# Altium PCB MB1428.PcbDoc (part 6 of 7)
Units mm, origin at the board's own origin, x right, y up, seen from the top; angles counter-clockwise.
Board outline 55.88 x 152.4 mm, 4 copper layers (Top Layer, Signal Layer 1, Signal Layer 2, Bottom Layer), stack 1.614 mm thick; 396 components, 227 nets, 1346 pads, 1469 vias.
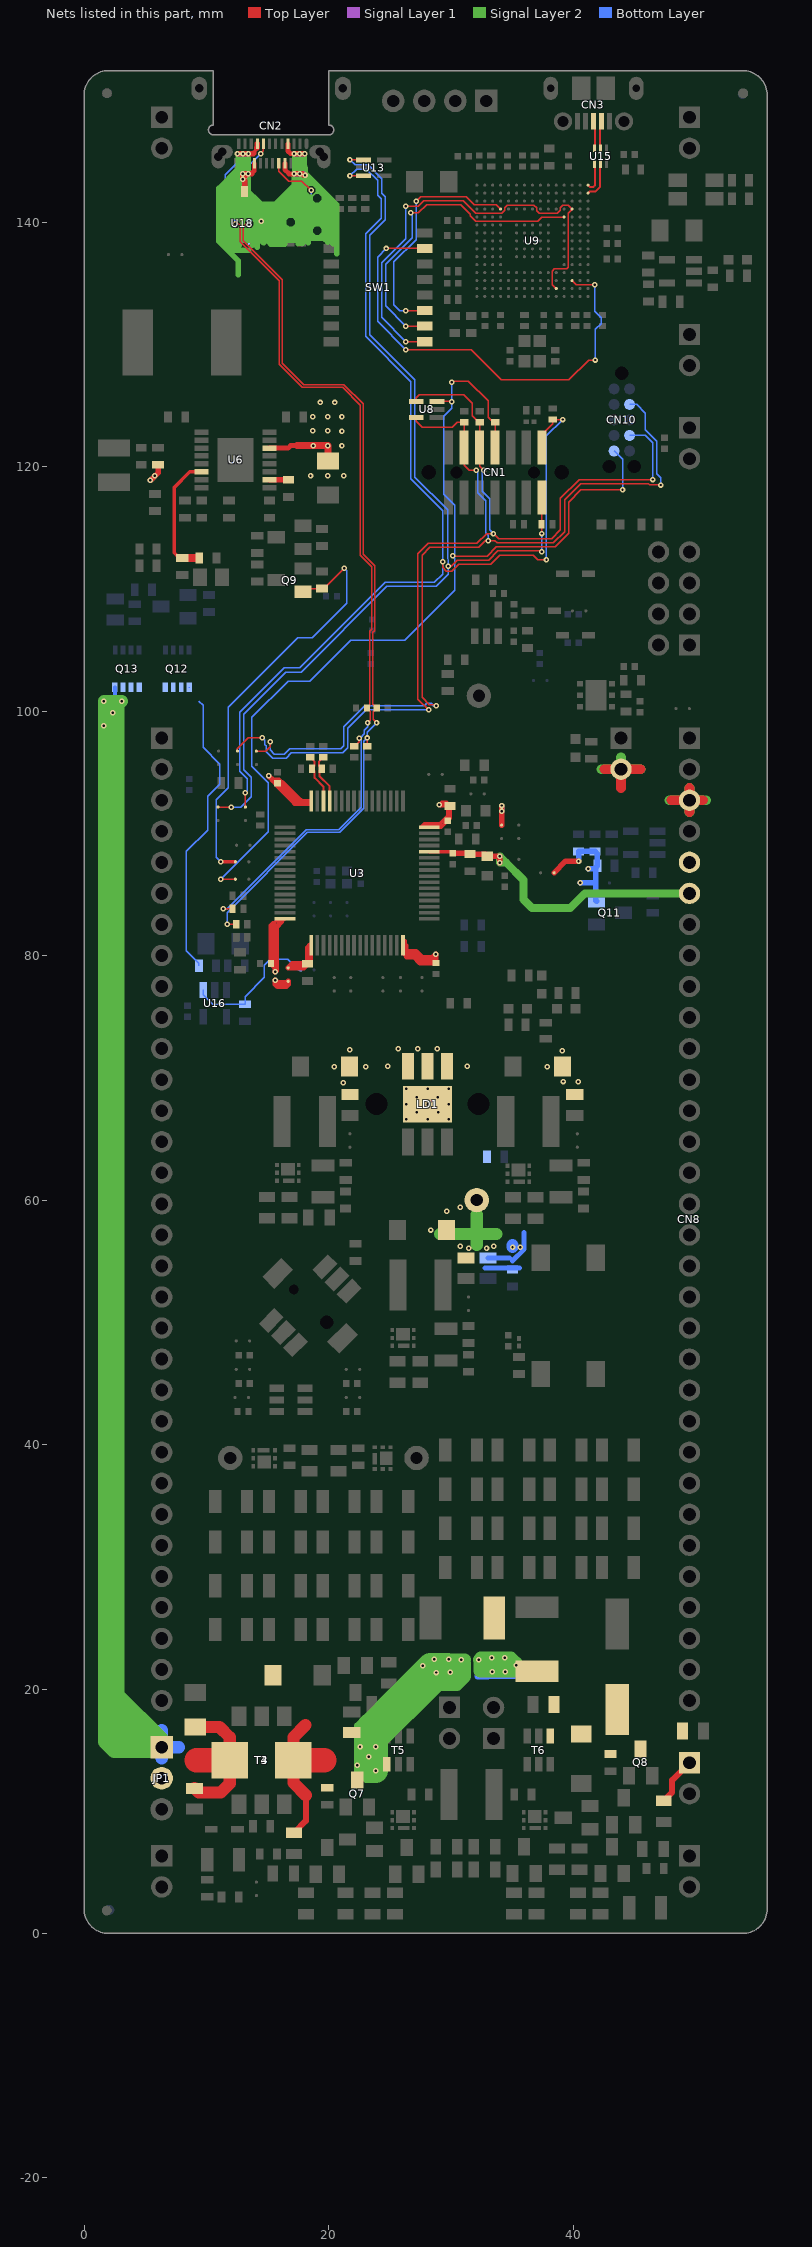
[diagram p8: the nets of this part, all layers, seen from the top]

## Via types
v1: diameter 0.45, hole 0.2, Top Layer to Bottom Layer, tented both sides, 1460 vias
v2: diameter 0.6, hole 0.2, Top Layer to Bottom Layer, tented both sides, 9 vias

## Nets (pads, with @x,y where several pads share a name; then routed paths per layer and width w, separated by ;. In a path a pad name is that pad's centre, name@x,y a point inside that pad or via, vN(x,y) a via of type N, cw(c..) or ccw(c..) an arc to the next point about the centre after c; other vN are vias at no path point) (continued)
T_SWCLK: CN1.6 CN10.4 R112.2 SB27.1 U8.4 | length 78.7
  Top Layer w0.12: SB27.1@12.55,96.725 12.55,96.925 13.45,97.825 v1(14.579,97.825) ; U8.4@27.175,125.332 27.175,125.657 27.418,125.9 31.053,125.9 31.753,125.2 31.753,124.164 32.285,123.632 R112.2@32.375,123.632 32.365,123.622 CN1.6@32.365,121.557 32.365,120.035 v1(32.7,119.7) ; v1(28.182,100.118) 27.318,100.982 27.318,112.888 28.162,113.732 32.137,113.732 32.926,114.52 v1(33.495,114.52) 33.5,114.525 33.925,114.1 38.255,114.1 38.975,114.82 38.975,117.425 40.5,118.95 v1(46.525,118.95)
  Bottom Layer w0.12: v1@14.575,97.825 14.577,97.823 14.793,97.607 14.793,97.252 14.893,97.152 14.893,96.687 15.43,96.15 16.525,96.15 16.968,96.593 21.143,96.593 21.575,97.025 21.575,98.6 23.093,100.118 v1(28.182,100.118) ; v1@32.725,119.725 v1(32.7,119.7) 32.557,119.557 32.557,117.993 33.182,117.368 33.182,114.833 v1(33.495,114.52) ; CN10.4@44.63,122.555 45.918,122.555 46.523,121.95 46.523,118.952 v1(46.525,118.95)
T_SWCLKa: SW1.15 U9.M11 | length 26.1
  Top Layer w0.12: v1(26.325,131.5) SW1.15@27.86,131.5 SW1.15@27.925,131.5 ; v1(26.73,140.775) 27.355,140.775 28.016,141.436 30.818,141.436 31.585,140.669 31.585,140.539 32.044,140.08 37.11,140.08 37.455,140.425 U9.M11@39.28,140.425
  Bottom Layer w0.12: v1(26.325,131.5) 24.678,133.147 24.678,136.547 26.839,138.708 26.839,140.641 26.705,140.775 v1(26.73,140.775)
T_SWDIO: CN1.4 CN10.2 R111.2 SB29.1 U8.5 | length 79
  Top Layer w0.12: SB29.1@14.1,96.725 14.875,96.725 15.225,97.075 v1(15.225,97.5) ; U8.5@27.175,124.032 27.175,123.707 27.657,123.225 30.125,123.225 30.532,123.632 R111.2@31.1,123.632 31.1,121.562 CN1.4@31.095,121.557 31.095,120.13 31.525,119.7 v1(32.075,119.7) ; v1(28.825,100.45) 28.75,100.525 28.245,100.525 27.65,101.12 27.65,112.75 28.3,113.4 32.275,113.4 32.831,113.956 v1(33.077,113.956) 33.6,113.956 33.787,113.768 38.393,113.768 39.307,114.682 39.307,117.287 40.638,118.618 46.162,118.618 46.275,118.505 v1@47.175,118.505
  Bottom Layer w0.12: v1(15.225,97.5) 15.225,96.825 15.568,96.482 16.387,96.482 16.83,96.925 21.005,96.925 21.243,97.163 21.243,98.738 22.955,100.45 27.875,100.45 28.05,100.625 28.382,100.625 28.557,100.45 v1(28.825,100.45) ; v1(32.075,119.7) 32.225,119.55 32.225,117.855 32.85,117.23 32.85,114.6 33.077,114.373 v1(33.077,113.956) ; CN10.2@44.63,125.095 45.21,125.095 45.927,124.378 45.927,123.016 46.855,122.088 46.855,119.42 47.175,119.1 v1(47.175,118.5)
T_SWDIOa: SW1.16 U9.L2 U9.N12 | length 37.5
  Top Layer w0.12: v1(26.325,130.23) SW1.16@27.675,130.23 ; v1(26.325,141.32) 27.348,141.32 27.796,141.768 31.006,141.768 32.024,140.75 34.186,140.75 34.425,140.989 34.425,141.201 34.604,141.38 36.806,141.38 37.025,141.161 37.025,140.919 37.219,140.725 38.711,140.725 38.975,140.989 38.975,141.201 39.154,141.38 39.625,141.38 U9.N12@39.93,141.075 39.605,140.75 39.605,136.3 39.485,136.18 38.485,136.18 38.305,136 38.305,134.9 U9.L2@38.63,134.575
  Bottom Layer w0.12: v1(26.325,130.23) 24.346,132.209 24.346,136.685 26.325,138.664 v1(26.325,141.32)
T_SWO: CN1.8 CN10.6 R113.2 SB16.2 U8.3 | length 85.2
  Top Layer w0.12: v1(11.2,86.25) SB16.2@12.375,86.25 ; U8.3@28.875,125.332 30.073,125.332 v1(30.08,125.325) ; v1(30.15,112.7) 30.164,112.686 32.975,112.686 33.725,113.436 38.53,113.436 39.639,114.545 39.639,117.089 40.65,118.1 v1(44.05,118.1) ; 30.3,126.995 31.43,126.995 33.05,125.375 33.05,124.039 33.457,123.632 R113.2@33.65,123.632 33.635,123.617 CN1.8@33.635,121.557
  Bottom Layer w0.12: v1(11.2,86.25) 15.075,90.125 15.075,94.125 13.725,95.475 13.725,99.489 16.686,102.45 18.461,102.45 21.811,105.8 26.236,105.8 30.34,109.904 30.34,112.51 v1(30.15,112.7) 30.34,112.89 30.34,116.846 29.44,117.746 29.44,124.135 30.08,124.775 v1(30.08,125.325) v1(30.08,126.899) ; CN10.6@43.36,121.285 44.055,120.59 44.055,118.105 v1(44.05,118.1)
T_SWOa: SW1.14 U9.D12 | length 19.4
  Top Layer w0.12: v1(26.325,132.77) SW1.14@27.83,132.77 ; v1(27.18,141.725) 27.555,142.1 31.258,142.1 31.938,141.42 33.735,141.42 U9.D12@34.08,141.075
  Bottom Layer w0.12: v1(26.325,132.77) 25.83,132.77 25.35,133.25 25.35,136.75 27.171,138.571 27.171,141.716 v1(27.18,141.725)
T_VCC_AIN: SW1.10 U9.N3 | length 38.5
  Top Layer w0.12: v1(24.73,137.85) SW1.10@27.86,137.85 SW1.10@27.925,137.85 ; v1(26.329,129.575) 26.354,129.55 31.686,129.55 34.136,127.1 39.66,127.1 41.285,128.725 v1(41.83,128.725) ; U9.N3@39.93,135.225 40.255,134.9 v1(41.78,134.9)
  Bottom Layer w0.12: v1(24.73,137.85) 24.014,137.134 24.014,131.89 v1(26.329,129.575) ; v1(41.78,134.9) 41.78,132.725 42.305,132.2 42.305,131.7 41.83,131.225 v1(41.83,128.725)
T_VCP_RX: CN1.13 R105.2 SB23.1 U13.1 | length 84.3
  Top Layer w0.12: SB23.1@10.95,92.15 v1@12.125,92.15 ; v1(21.755,145.1) U13.1@22.855,145.1 ; v1(29.801,111.855) 30.026,111.855 30.525,112.354 33.113,112.354 33.863,113.104 37.366,113.104 37.425,113.045 v1(37.425,113.031) ; v1(37.425,114.532) R105.2@37.425,115.282 37.445,115.302 CN1.13@37.445,117.493
  Bottom Layer w0.12: v1(12.05,92.15) 12.825,92.15 13.675,93 13.675,94.6 13.05,95.225 13.05,99.755 16.495,103.2 17.775,103.2 24.775,110.2 28.796,110.2 29.801,111.205 v1(29.801,111.855) 29.801,112.384 29.735,112.45 29.735,116.47 27.055,119.15 27.055,127.1 23.362,130.793 23.362,138.912 24.644,140.195 24.644,142.075 24.367,142.353 24.367,143.558 23.243,144.682 22.173,144.682 v1(21.755,145.1) ; v1@37.425,113.045 v1(37.425,114.532)
T_VCP_TX: CN1.14 R114.2 SB24.1 U13.3 | length 94.1
  Top Layer w0.12: SB24.1@13.2,92.15 v1(13.2,93.325) ; v1(21.755,143.8) U13.3@22.855,143.8 ; v1(29.33,112.23) 29.33,111.754 29.634,111.45 30.091,111.45 30.663,112.022 33.25,112.022 34,112.772 36.733,112.772 37.105,112.4 v1(37.83,112.4) ; CN1.14@37.445,121.557 37.445,122.602 38.35,123.507 38.35,123.855 39.173,123.855 v1(39.175,123.857)
  Bottom Layer w0.12: v1(13.2,93.325) 13.343,93.468 13.343,94.462 12.718,95.087 12.718,99.893 16.357,103.532 17.637,103.532 24.637,110.532 28.659,110.532 29.33,111.203 v1(29.33,112.23) 29.33,116.405 26.723,119.012 26.723,126.962 23.03,130.655 23.03,139.05 24.312,140.332 24.312,141.938 24.035,142.215 24.035,143.42 23.105,144.35 22.305,144.35 v1(21.755,143.8) ; v1(37.83,112.4) 37.83,122.512 v1(39.175,123.857)
USB_DEV_HS_CN_N: CN3.2 U15.5 | length 2.3
  Top Layer w0.16: U15.5@42.25,146.05 42.193,146.107 42.193,147.743 42.325,147.875 CN3.2@42.325,148.25
USB_DEV_HS_CN_P: CN3.3 U15.6 | length 2.3
  Top Layer w0.16: CN3.3@41.675,148.25 41.675,147.8 41.807,147.668 41.807,146.107 U15.6@41.75,146.05
USB_DEV_HS_N: U9.R14 U15.2 | length 3.1
  Top Layer w0.16: U9.R14@41.23,142.375 41.355,142.5 41.83,142.5 42.193,142.863 42.193,144.693 U15.2@42.25,144.75
USB_DEV_HS_P: U9.R15 U15.1 | length 2.4
  Top Layer w0.16: U9.R15@41.23,143.025 41.369,142.886 41.67,142.886 41.807,143.023 41.807,144.693 U15.1@41.75,144.75
USB_PD_VBUS: JP1.1 Q13.5 Q13.6 Q13.7 Q13.8 | length 286.5
  Signal Layer 2 w1: 2.805,18.27 2.805,16.945 3.95,15.8 ; 2.805,18.27 5.275,15.8 ; 2.805,18.27 2.805,19.57 ; 2.805,19.57 2.805,100.53 ; 2.805,19.57 6.35,16.025 JP1.1@6.35,15.24 ; 2.805,100.53 v1(3.075,100.8) 1.65,100.8 v1(1.625,100.825) v1(1.625,98.8) 1.625,15.675 2.45,14.85 5.96,14.85 JP1.1@6.35,15.24 ; 2.805,100.53 2.55,100.275 2.55,16.075 2.825,15.8 3.95,15.8 ; 3.95,15.8 4.51,15.24 JP1.1@5.835,15.24 ; 3.95,15.8 5.275,15.8 ; 5.275,15.8 5.79,15.8 JP1.1@6.35,15.24 ; 5.275,15.8 JP1.1@5.835,15.24 ; JP1.1@5.835,15.24 JP1.1@6.35,15.24
  Bottom Layer w0.3: v1(1.625,100.825) 1.65,100.825 1.975,100.5 2.525,101.05 Q13.8@2.525,101.95
  Bottom Layer w1: 4.56,15.24 JP1.1@6.35,15.24 ; JP1.1@6.35,14.325 JP1.1@6.35,15.24 ; 6.35,16.625 JP1.1@6.35,15.24 ; 7.76,15.24 JP1.1@6.35,15.24
  other v1: 2.35,99.85
USBPD_550mA_PROTECT: Q9.1 R98.2 SB19.2 | length 34.7
  Top Layer w0.12: Q9.1@17.925,109.775 18.175,110.025 R98.2@19.475,110.025 19.6,110.025 v1(21.275,111.7)
  Top Layer w0.3: v1(11.2,87.675) SB19.2@12.375,87.675
  Bottom Layer w0.12: v1(11.2,87.675) 10.81,88.065 10.81,92.749 11.81,93.749 11.81,100.335 17.49,106.015 18.651,106.015 21.475,108.839 21.475,111.5 v1(21.275,111.7) 21.27,111.7 v1@21.235,111.665
USBPD_CC1: C38.2 CN2.A5 R85.2 R94.1 U18.1 | length 84.5
  Top Layer w0.12: v1(11.7,82.55) R85.2@12.45,82.55 ; 13.275,139.875 13.015,139.615 13.015,138.497 16.22,135.292 16.22,128.467 17.967,126.72 21.242,126.72 22.82,125.142 22.82,112.844 23.77,111.894 23.77,106.595 23.625,106.45 23.625,100.575 C38.2@23.95,100.25 23.64,99.94 23.64,99.335 v1(23.925,99.05) ; CN2.A5@15.925,144.82 15.925,144.175 16.738,143.362 17.813,143.362 v1(18.575,142.6) ; R94.1@23.164,97.129 v1(23.164,97.804)
  Bottom Layer w0.12: v1(11.7,82.55) 11.7,83.5 18.275,90.075 20.925,90.075 22.9,92.05 22.9,97.54 v1(23.164,97.804) 23.164,98.289 v1(23.925,99.05) ; U18.1@13.875,138.825 13.5,139.2 v1(13.5,139.875) 13.5,140.1 14.325,140.925 18.05,140.925 18.575,141.45 v1(18.575,142.6)
USBPD_CC2: C37.2 CN2.B5 R86.2 R93.1 U18.2 | length 81.3
  Top Layer w0.12: v1(11.4,83.85) R86.2@12.15,83.85 ; 12.6,139.875 12.775,139.7 12.775,138.398 15.98,135.193 15.98,134.9 15.98,128.368 17.868,126.48 21.143,126.48 22.58,125.043 22.58,112.745 23.53,111.795 23.53,106.694 23.385,106.549 23.385,100.485 C37.2@23.15,100.25 23.4,100 23.4,99.265 v1(23.189,99.054) ; v1(14.45,145.6) 14.675,145.825 CN2.B5@14.675,146.42 ; R93.1@22.1,97.125 22.15,97.125 22.525,97.5 v1(22.525,97.8)
  Bottom Layer w0.12: v1(11.4,83.85) 11.711,83.85 18.176,90.315 20.826,90.315 22.66,92.149 22.66,97.665 v1(22.525,97.8) 22.587,97.8 22.924,98.137 22.924,98.449 23.189,98.714 v1(23.189,99.054) ; U18.2@11.975,138.825 12.375,139.225 v1(12.375,139.875) 12.375,140.1 11.55,140.925 11.55,143.878 12.498,144.825 13.675,144.825 v1(14.45,145.6)
USBPD_VBUS: C52.2 C53.2 C105.2 CN2.A4 CN2.A9 CN2.B4 CN2.B9 Q12.5 Q12.6 Q12.7 Q12.8 R110.2 R136.2 U6.10 U6.14 U12.1 | length 250.7
  Top Layer w0.15: 13.83,145.6 13.83,145.749 14.12,146.039 14.175,146.094 CN2.B4@14.175,146.131
  Top Layer w0.25: 13.98,145.75 13.98,145.795 14.175,145.99 CN2.B4@14.175,146.025
  Top Layer w0.3: 14.07,145.92 14.175,146.025 CN2.B4@14.175,146.094
  Top Layer w0.35: 14.095,145.98 14.12,146.005 14.12,146.039 CN2.B4@14.12,146.041
  Top Layer w0.4: 13.7,143.975 13.925,144.2 CN2.A9@13.925,144.82 ; CN2.B4@14.12,146.041 14.145,146.066 CN2.B4@14.145,146.101 ; U6.14@15.175,121.525 16.7,121.525 16.9,121.725 17.45,121.725 ; CN2.A4@16.425,144.82 16.425,144.3 16.775,143.95 v1(17.175,143.95) ; CN2.B9@16.675,146.42 16.675,145.825 16.9,145.6 v1(17.175,145.6) ; v1@17.625,143.95 17.65,143.975 v1@17.67,143.955
  Top Layer w0.45: v1(5.425,118.875) v1(5.8,119.25) 6.05,119.5 R110.2@6.05,120.15 ; v1@12.605,145.6 v1(13,145.6) v1(13.45,145.6) 13.83,145.6 13.88,145.65 ; U12.1@13.125,142.5 13.125,143.375 v1(12.975,143.525) ; 13.7,143.975 v1(13.425,143.975) ; CN2.B4@14.145,146.101 14.175,146.131 CN2.B4@14.175,146.42 ; U6.10@15.175,118.925 C53.2@16.725,118.925 ; v1(17.175,143.95) 17.625,143.95 v1(17.65,143.95) 17.85,143.95 17.975,143.825 v1(18.075,143.825) ; v1(17.175,145.6) v1(17.625,145.6) v1@17.995,145.6 ; v1(12.975,143.525) v1(13.425,143.975) ; v1(12.975,143.525) v1(12.975,143.975) v1(13.425,143.975)
  Top Layer w0.6: 17.45,121.725 v1(19.925,121.725) 19.95,121.7 C52.2@19.95,120.475
  Signal Layer 1 w0.45: v1@12.605,145.6 v1(13,145.6) v1(13.45,145.6) ; v1(17.175,143.95) v1(17.65,143.95) 17.95,143.95 v1(18.075,143.825) ; v1(17.175,145.6) v1(17.625,145.6) v1@17.995,145.6 ; v1(12.975,143.525) v1(13.425,143.975) v1(12.975,143.975) v1(12.975,143.525)
  Signal Layer 2 w0.12: 18.005,142.214 18.101,142.118 18.67,142.118 ; 18.005,142.975 18.074,142.906 18.17,142.81 18.17,142.432 18.407,142.195 18.743,142.195 18.98,142.432 18.98,142.768 18.743,143.005 18.504,143.005 18.339,143.17 ; 18.559,141.659 18.67,141.77 18.67,142.118 ; 18.975,141.545 19.243,141.545 19.48,141.782 19.48,142.118 19.243,142.355 18.907,142.355 18.67,142.118
  Signal Layer 2 w0.4: 11.83,139.85 11.83,139.649 12.149,139.33 12.601,139.33 12.955,139.684 ; 13,139.3 12.955,139.345 12.955,139.649 ; 13.511,140.445 13.486,140.42 13.274,140.42 12.955,140.101 12.955,139.684 ; 14.281,139.2 14.175,139.2 13.404,139.2 13.304,139.3 12.955,139.649 ; 12.955,139.649 12.955,139.684
  Signal Layer 2 w0.45: v1(5.425,118.875) v1(5.8,119.25) v1@5.8,119.275 ; 12,140.375 12.213,140.588 ; 12.35,139.3 13,139.3 13.304,139.3 ; 12.425,138 11.7,138.725 11.7,139.25 ; 12.6,135.7 12.6,136.85 11.025,138.425 11.025,142.765 12.605,144.345 ; 12.7,138.125 12,138.825 12,138.95 ; 12.938,140.119 12.611,140.445 ; 13.475,137.725 12.3,137.725 ; 13.595,139.3 13.304,139.3 ; 13.775,138.1 13.845,138.17 13.845,138.525 ; 14.002,139.057 13.845,138.9 ; 14.175,137.95 14.175,138.825 ; 14.281,139.2 15.281,138.2 16.4,138.2 ; 14.7,138.3 14.175,138.825 ; 17.525,138.25 17.525,138.513 ; 17.825,138.225 17.95,138.35 17.95,138.675 ; 18.03,144.767 18.03,144.51 ; 18.101,142.118 18.189,142.03 ; 18.35,138.3 18.35,138.675 ; 18.505,139.25 18.505,139.536 18.569,139.6 ; 18.505,142.03 18.189,142.03 ; 19.145,142.52 19.145,142.836 ; 20.35,138.225 20.35,140.053 19.703,140.7 18.7,140.7 17.65,141.75 17.65,142.4 ; 20.675,137.4 20.675,140.225 ; 11.4,138.625 12.3,137.725 ; 11.4,138.625 11.4,138.375 12.05,137.725 12.3,137.725 ; 11.4,138.625 11.4,142.67 11.69,142.96 ; 11.69,142.96 11.69,140.66 11.7,140.65 ; 11.69,142.96 11.915,143.185 ; 11.7,139.25 12,138.95 ; 11.7,139.25 11.7,139.649 ; 11.7,139.649 11.805,139.754 11.805,140.111 ; 11.7,139.649 11.7,140.006 ; 11.7,140.006 11.7,140.65 ; 11.7,140.006 11.805,140.111 ; 11.7,140.65 11.937,140.888 ; 11.805,140.111 12.139,140.445 12.355,140.445 ; 11.915,143.185 11.915,140.91 11.937,140.888 ; 11.915,143.185 12.277,143.548 ; 11.937,140.888 12.277,141.227 12.277,143.548 ; 12,138.95 12.05,138.9 ; 12.05,138.9 13.845,138.9 ; 12.05,138.9 12.425,138.525 13.845,138.525 ; 12.213,140.588 12.462,140.588 ; 12.213,140.588 12.605,140.98 12.605,141.25 ; 12.213,140.588 12.338,140.463 ; 12.277,143.548 12.605,143.875 ; 12.338,140.463 12.355,140.445 ; 12.338,140.463 12.462,140.588 ; 12.355,140.445 12.611,140.445 ; 12.462,140.588 12.916,141.041 ; 12.462,140.588 12.775,140.588 ; 12.605,141.25 12.706,141.25 12.916,141.041 ; 12.605,141.25 12.605,141.8 ; 12.605,141.8 12.605,143.875 ; 12.605,141.8 12.927,141.477 ; 12.605,143.875 12.605,144.345 ; 12.605,144.345 12.605,145.6 v1(13,145.6) ; 12.605,144.345 v1(12.975,143.975) ; 12.611,140.445 12.918,140.445 ; 12.775,140.588 12.918,140.445 ; 12.775,140.588 13.369,140.588 ; 12.916,141.041 12.927,141.052 12.927,141.477 ; 12.916,141.041 13.369,140.588 ; 12.918,140.445 13.511,140.445 ; 12.927,141.477 13.845,140.56 ; 12.975,142.478 13.845,141.608 ; 12.975,142.478 12.975,141.895 13.845,141.025 ; 12.975,142.478 v1(12.975,143.525) ; v1(12.975,143.525) v1(13.425,143.975) ; v1(12.975,143.525) v1(12.975,143.975) ; v1(12.975,143.975) v1(13.425,143.975) ; v1(12.975,143.975) 13,144 v1(13,145.6) ; v1(13,145.6) v1(13.45,145.6) 13.45,144 v1(13.425,143.975) ; 13.304,139.3 13.309,139.305 13.736,139.305 14.07,139.639 14.07,140.111 13.736,140.445 13.511,140.445 ; 13.369,140.588 13.511,140.445 ; v1(13.425,143.975) 13.425,142.525 14.175,141.775 ; 13.845,138.525 13.845,138.9 ; 13.845,138.9 14.1,138.9 14.175,138.825 ; 13.845,140.56 13.845,141.025 ; 13.845,140.56 13.845,140.35 14.131,140.35 14.175,140.306 ; 13.845,141.025 13.845,141.105 ; 13.845,141.105 13.845,141.608 ; 13.845,141.105 14.175,140.775 ; 13.845,141.608 14.175,141.278 ; 14.175,138.825 14.175,139.2 14.175,139.781 ; 14.175,139.781 14.175,140.306 ; 14.175,139.781 15.506,138.45 15.906,138.45 15.969,138.513 ; 14.175,140.306 15.969,138.513 ; 14.175,140.306 14.175,140.775 ; 14.175,140.775 16.175,138.775 17.525,138.775 ; 14.175,140.775 14.175,141.278 ; 14.175,141.278 14.689,140.764 ; 14.175,141.278 14.175,141.775 ; 14.175,141.775 14.5,141.45 ; 14.5,141.45 14.825,141.125 ; 14.5,141.45 15.625,141.45 17.175,143 ; 14.689,140.764 14.964,140.489 ; 14.689,140.764 15.186,140.764 ; 14.825,141.125 15.186,140.764 ; 14.825,141.125 15.9,141.125 17.175,142.4 ; 14.964,140.489 16.378,139.075 17.475,139.075 17.525,139.125 ; 14.964,140.489 15.045,140.57 15.38,140.57 ; 15.186,140.764 16.089,140.764 ; 15.186,140.764 15.38,140.57 ; 15.38,140.57 15.95,140 ; 15.38,140.57 16.295,140.57 ; 15.95,140 16.52,139.43 16.664,139.43 ; 15.95,140 15.95,140.225 16.295,140.57 ; 15.969,138.513 17.525,138.513 ; 16.089,140.764 16.489,140.764 ; 16.089,140.764 17.175,141.85 ; 16.295,140.57 16.489,140.764 ; 16.295,140.57 16.664,140.57 ; 16.489,140.764 17.125,141.4 17.175,141.4 ; 16.489,140.764 17.175,140.764 ; 16.664,139.43 17.136,139.43 ; 16.664,139.43 16.33,139.764 16.33,140.236 16.664,140.57 ; 16.664,140.57 17.136,140.57 17.175,140.531 ; 17.136,139.43 17.454,139.747 ; 17.136,139.43 17.208,139.43 17.525,139.747 ; 17.175,140.531 17.175,140.764 ; 17.175,140.531 17.47,140.236 ; 17.175,140.764 17.175,141.4 ; 17.175,140.764 17.189,140.764 17.425,141 ; 17.175,141.4 17.175,141.85 ; 17.175,141.85 17.175,142.4 ; 17.175,141.85 17.425,142.1 ; 17.175,142.4 17.175,143 ; 17.175,142.4 17.425,142.65 ; 17.175,143 v1(17.175,143.95) ; 17.175,143 17.425,143.25 ; v1(17.175,143.95) 17.22,143.995 17.22,145.555 v1(17.175,145.6) v1(17.625,145.6) ; v1(17.175,143.95) 17.425,143.95 ; 17.425,141 17.425,140.697 17.95,140.172 ; 17.425,141 17.425,141.425 ; 17.425,141 17.975,140.45 ; 17.425,141.425 17.425,142.1 ; 17.425,141.425 18.502,140.348 19.477,140.348 19.9,139.925 ; 17.425,142.1 17.425,142.65 ; 17.425,142.65 17.425,143.25 ; 17.425,143.25 17.425,143.95 ; 17.425,143.95 v1(17.65,143.95) ; 17.454,139.747 17.47,139.764 17.47,140.236 ; 17.454,139.747 17.525,139.747 ; 17.47,140.236 17.525,140.181 17.525,139.747 ; 17.525,138.513 17.525,138.775 ; 17.525,138.775 17.525,139.125 ; 17.525,139.125 17.525,139.747 ; 17.525,139.747 17.95,140.172 ; v1(17.625,145.6) 17.625,143.975 v1(17.65,143.95) ; v1(17.625,145.6) 17.995,145.6 17.995,144.475 ; 17.65,142.4 v1(17.65,143.95) ; 17.65,142.4 18.005,142.045 ; v1(17.65,143.95) 17.95,143.95 v1@17.995,143.905 ; 17.95,138.675 18.35,138.675 ; 17.95,138.675 17.95,140.172 ; 17.975,140.45 18.1,140.45 18.625,139.925 18.675,139.925 ; 17.975,140.45 18.35,140.075 18.35,139.6 ; v1@17.995,143.905 17.995,144.475 ; v1@17.995,143.905 v1@18.03,143.87 ; 17.995,144.475 18.03,144.44 ; 17.995,144.475 18.03,144.51 ; 18.005,142.045 18.005,142.214 18.005,142.836 ; 18.005,142.045 18.005,141.92 18.8,141.125 19.775,141.125 ; 18.005,142.045 18.02,142.03 18.189,142.03 ; 18.005,142.836 18.074,142.906 18.339,143.17 18.385,143.17 ; 18.005,142.836 18.005,142.975 ; 18.005,142.975 18.005,143.55 ; 18.005,142.975 18.075,143.045 18.075,143.48 ; 18.005,143.55 18.005,143.755 v1@18.05,143.8 ; 18.005,143.55 18.075,143.48 ; v1@18.03,143.87 18.03,144.44 ; v1@18.03,143.87 v1@18.05,143.85 ; 18.03,144.44 18.05,144.42 ; 18.03,144.44 18.03,144.51 ; 18.03,144.51 18.05,144.53 18.05,144.42 ; v1@18.05,143.8 v1@18.05,143.85 ; v1@18.05,143.8 v1(18.075,143.825) ; v1@18.05,143.85 18.05,144.42 ; v1@18.05,143.85 v1(18.075,143.825) ; 18.05,144.42 18.075,144.395 v1@18.075,144.019 ; 18.075,143.48 v1(18.075,143.825) ; 18.075,143.48 18.385,143.17 ; v1(18.075,143.825) v1@18.075,144.019 ; v1@18.075,144.019 20.675,141.419 ; 18.189,142.03 18.559,141.659 18.839,141.38 19.311,141.38 ; 18.35,138.675 18.35,139.219 ; 18.35,138.675 18.9,138.675 ; 18.35,139.219 18.35,139.6 ; 18.35,139.219 18.839,138.73 18.845,138.73 ; 18.35,139.6 18.675,139.925 ; 18.35,139.6 18.569,139.6 ; 18.385,143.17 18.811,143.17 19.145,142.836 ; 18.569,139.6 18.839,139.87 ; 18.675,139.925 18.894,139.925 ; 18.839,139.87 19.311,139.87 19.425,139.756 ; 18.839,139.87 18.894,139.925 ; 18.845,138.73 18.9,138.675 ; 18.845,138.73 19.311,138.73 19.645,139.064 ; 18.894,139.925 19.425,139.925 ; 18.9,138.675 19.375,138.675 ; 19.145,142.836 19.645,142.336 ; 19.311,141.38 20.05,141.38 ; 19.311,141.38 19.645,141.714 19.645,142.336 ; 19.375,138.675 19.645,138.945 19.645,139.064 ; 19.375,138.675 19.65,138.675 19.95,138.375 19.95,139.875 19.9,139.925 ; 19.425,139.756 19.425,139.925 ; 19.425,139.756 19.645,139.536 19.645,139.064 ; 19.425,139.925 19.9,139.925 ; 19.645,142.336 20.05,141.931 20.05,141.38 ; 19.775,141.125 20.05,141.125 ; 19.775,141.125 20.381,140.519 ; 20.05,141.125 20.381,141.125 ; 20.05,141.125 20.05,141.38 ; 20.05,141.38 20.636,141.38 ; 20.381,140.519 20.675,140.225 ; 20.381,140.519 20.381,141.125 ; 20.381,141.125 20.636,141.38 ; 20.636,141.38 20.675,141.419 ; 20.675,140.225 20.675,141.419
  Bottom Layer w0.12: Q12.5@8.6,101.925 Q12.5@8.625,101.95 ; 9.375,100.825 9.738,100.462 9.738,97.037 11.1,95.675 11.1,94.025 10.1,93.025 10.1,90.275 8.35,88.525 8.35,80.405 9.4,79.355 R136.2@9.4,79.175
  Bottom Layer w0.45: v1@12.605,145.6 v1(13,145.6) v1(13.45,145.6) ; v1(14.5,140.075) 15.225,140.075 C105.2@15.4,139.9 ; v1(17.175,143.95) v1(17.65,143.95) 17.95,143.95 v1(18.075,143.825) ; v1(17.175,145.6) v1(17.625,145.6) v1@17.995,145.6 ; v1(12.975,143.525) v1(13.425,143.975) v1(12.975,143.975) v1(12.975,143.525)
  other v1: 18.525,119.275 19.95,119.275 21.25,119.275 18.75,121.7 21.1,121.725 21.1,122.9 18.725,122.925 19.925,122.925 21.1,124.075 18.725,124.1 19.925,124.1 19.325,125.25 20.525,125.25 12.55,145.6 18.05,145.6
USBPD_VIN: R134.2 SB33.1 U16.1 | length 11.5
  Bottom Layer w0.12: U16.1@9.75,77.2 9.75,76.8 10.525,76.025 R134.2@13.175,76.025 13.175,76.65 14.75,78.225 14.75,79.2 15.25,79.7 16.65,79.7 17.525,78.825 SB33.1@17.725,78.825
USBPDFS_D_N: R91.2 R96.2 U3.45 | length 4.2
  Top Layer w0.16: R96.2@19.564,96.229 19.232,95.897 19.232,95.511 R91.2@19.439,95.304 19.25,95.115 19.25,94.693 20.089,93.854 U3.45@20.089,92.654
USBPDFS_D_P: R90.2 R95.2 U3.46 | length 4.2
  Top Layer w0.16: R95.2@18.514,96.229 18.846,95.897 18.846,95.511 R90.2@18.639,95.304 18.864,95.079 18.864,94.533 19.589,93.808 U3.46@19.589,92.654
V_IN: C6.2 D5.2 Q7.3 R17.2 R23.2 R132.1 T3.7 T4.7 T5.4 | length 94
  Top Layer w0.5: R17.2@17.175,8.25 18.15,9.225 18.15,11.3
  Top Layer w1: 18.125,17.05 17.125,16.05 T3.7@17.125,14.175 17.125,12.325 18.15,11.3
  Top Layer w2: T3.7@17.125,14.175 19.65,14.175
  Signal Layer 2 w0.5: 23.3,13.9 23.852,13.348 23.852,12.549 23.076,12.549 22.35,13.275 v1(22.35,13.75) 22.35,16.732 ; 23.3,16.912 22.53,16.912 22.35,16.732 ; 25.181,18.794 24.951,19.024 24.374,19.024 22.35,17 22.35,16.732
  Signal Layer 2 w1: v1@28.825,22.425 v1@29.8,22.425 ; 29.2,20.35 30.5,20.35 31.175,21.025 31.175,21.506 ; 29.625,21.95 30.725,21.95 ; v1@29.8,21.475 30.25,21.475 ; v1@29.825,22.45 v1@29.8,22.425 ; v1@29.8,22.425 v1(29.825,22.425) 31.15,22.425 31.125,22.4 v1(30.875,22.4) ; 30.25,21.475 31.144,21.475 ; 30.25,21.475 30.725,21.95 ; 30.725,21.95 30.875,22.1 ; 30.875,22.1 30.875,21.806 31.144,21.537 ; 30.875,22.1 v1(30.875,22.4) ; v1(30.875,22.4) 31.144,22.131 31.144,21.537 ; 31.144,21.475 31.144,21.537 ; 31.144,21.475 31.175,21.506 ; 31.144,21.537 31.175,21.506